# Altium PCB MCU014B_D1.PcbDoc (part 5 of 5)
Units mil, origin at the board's own origin, x right, y up, seen from the top; angles counter-clockwise.
Board outline 2300.04 x 4058 mil, 4 copper layers (TOP, GND, PWR, BOTTOM), stack 48.84 mil thick; 371 components, 238 nets, 1148 pads, 688 vias.
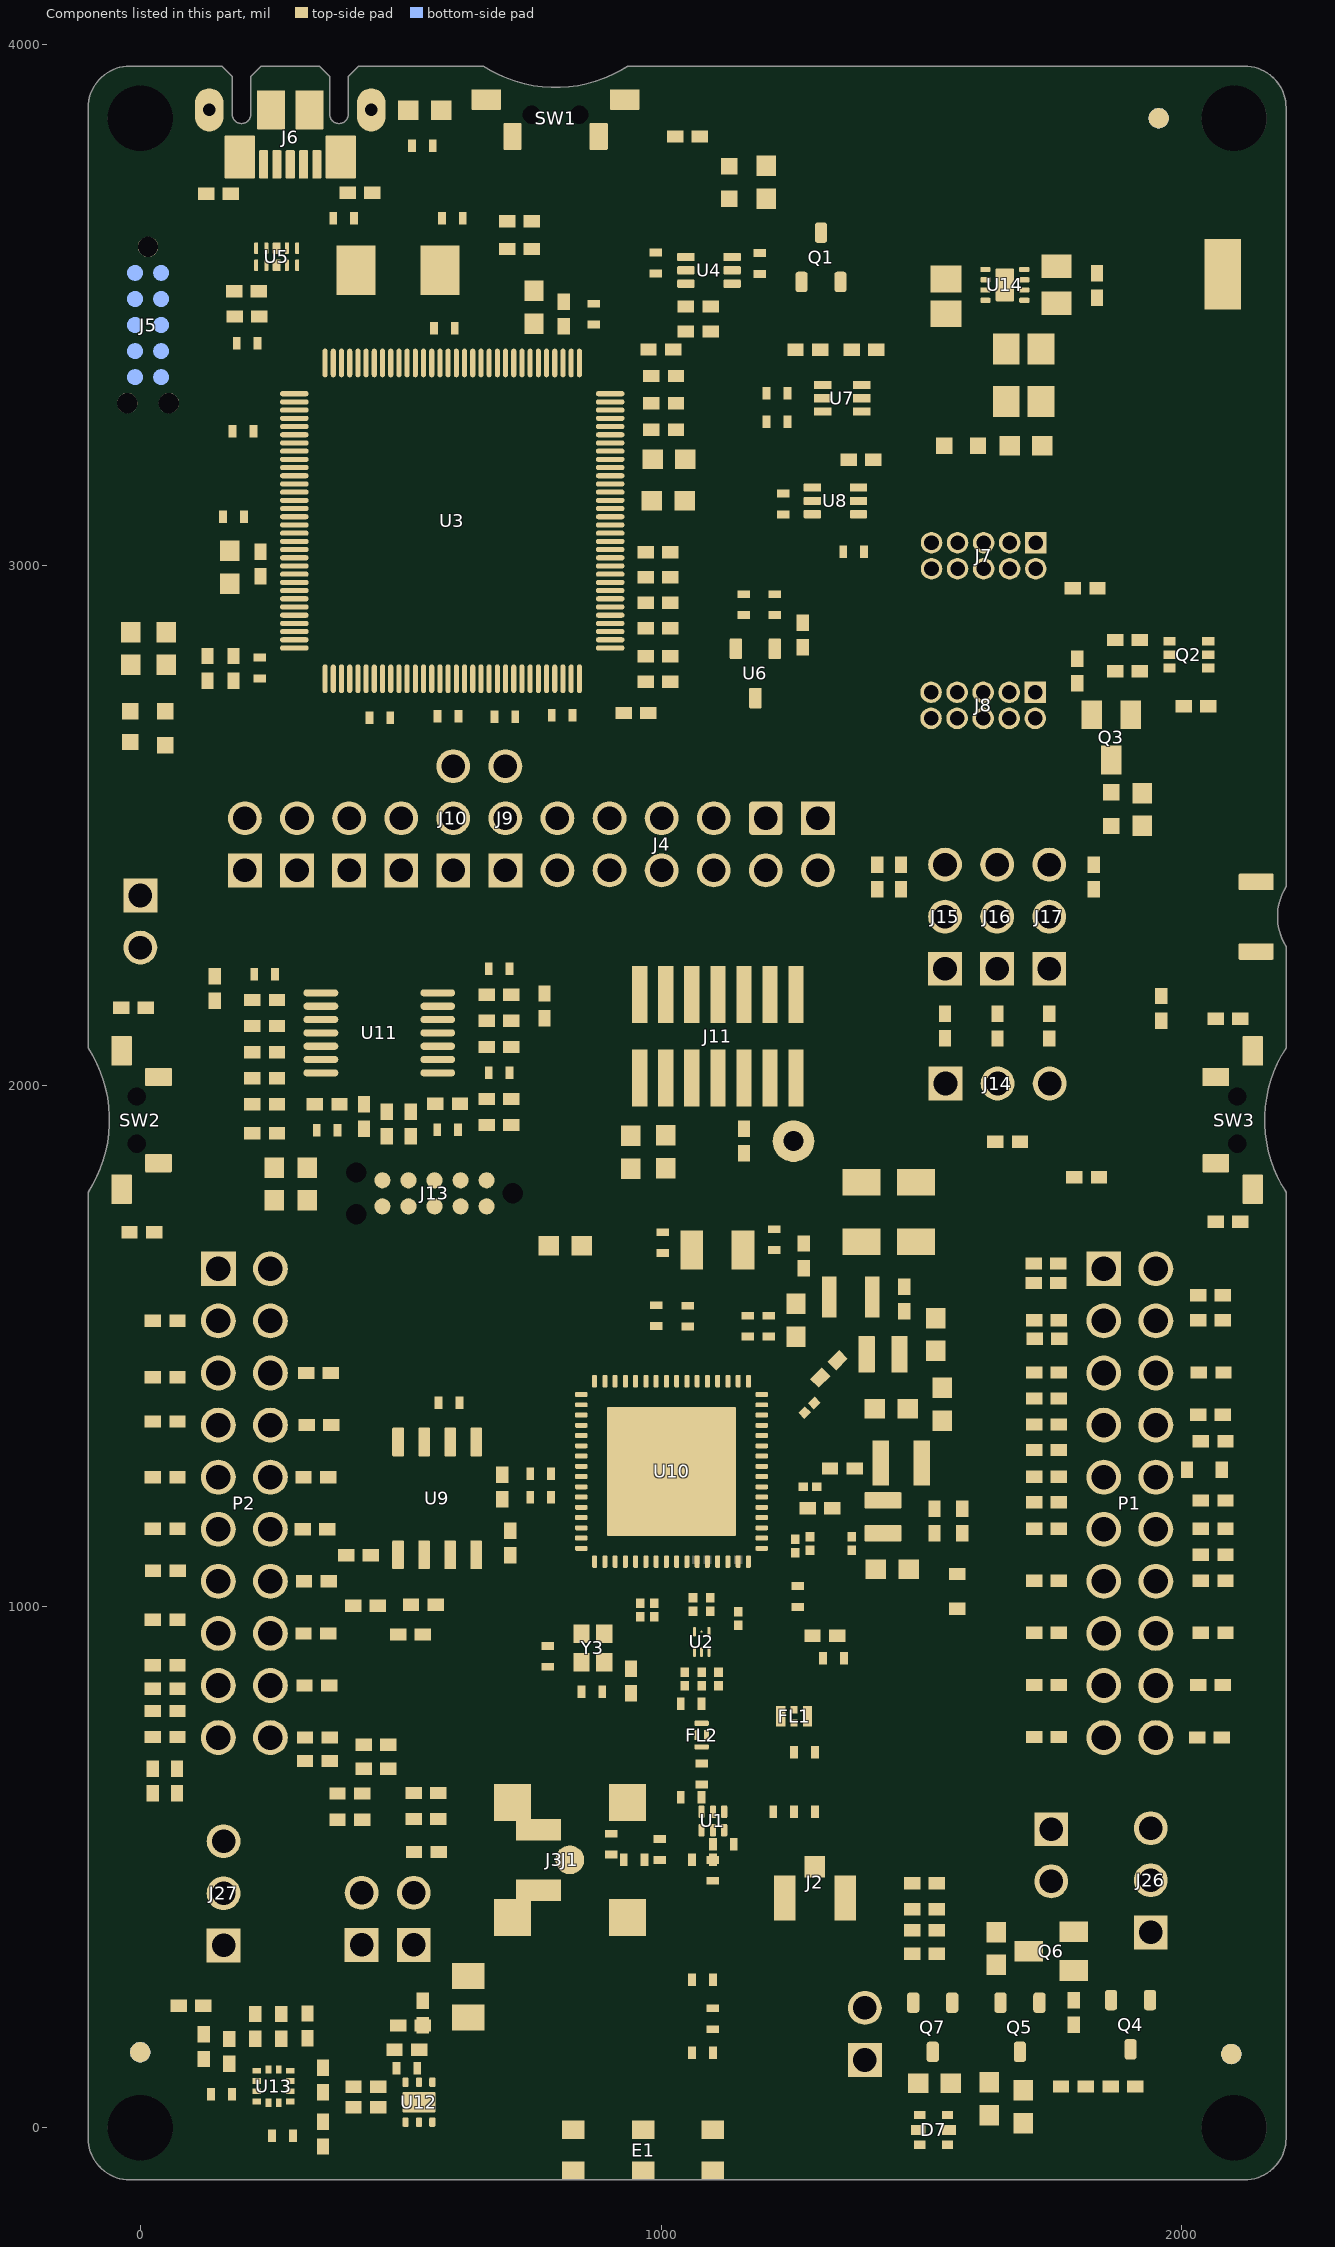
[diagram p7: the components of this part, seen from the top]

## Other copper (continued)
BOTTOM:
  pour cut-out: 729.61,-100.02 772.5,-100.02 772.5,75.2 729.61,75.2
  pour cut-out: 749.56,330.93 761.13,319.37 1068.87,319.37 1068.87,378.37 749.56,378.37
  pour cut-out: 1068.87,323.73 1077.25,332.11 1077.25,369.99 1068.87,378.37
  pour cut-out: 862.43,282.25 862.43,217.85 885.01,195.27 1183.98,195.27 1186.09,197.38 1186.09,263.32 1168.89,280.53 1080.35,280.53 1062.71,298.17 878.35,298.17
  pour cut-out: 1090.33,496.78 1120.32,466.79 1181.55,466.79 1219.5,504.74 1098.29,504.74
  pour cut-out: 1018.6,732.85 1018.6,725.94 1030.04,714.49 1211.05,714.49 1211.05,746.79 1032.54,746.79
  pour cut-out: 1329,595.38 1329,557.41 1477.45,557.41 1483.29,563.26 1483.29,594.76 1474.26,603.79 1337.41,603.79
  pour cut-out: 343.52,1718.81 343.52,1689.22 355.34,1677.4 371.61,1677.4 384.45,1690.24 384.45,1717.67 376.92,1725.19 349.9,1725.19
  pour cut-out: 1399.31,2354.95 1399.31,2325.35 1411.13,2313.53 1427.4,2313.53 1440.24,2326.37 1440.24,2353.8 1432.71,2361.33 1405.69,2361.33
  pour cut-out: 40.82,949.77 40.82,920.18 52.64,908.36 68.91,908.36 81.75,921.2 81.75,948.62 74.22,956.15 47.2,956.15
  pour cut-out: 293.71,917.28 293.71,887.68 305.53,875.86 321.81,875.86 334.64,888.7 334.64,916.13 327.12,923.66 300.09,923.66
  pour cut-out: 705.57,2688.96 705.57,2658.96 713.24,2651.28 735.89,2651.28 742.1,2657.5 742.1,2681.97 730.78,2693.3 709.91,2693.3
  pour cut-out: 601.74,2704.6 601.74,2693.15 603.14,2691.75 622.46,2691.75 624.4,2693.69 624.4,2705.18 622,2707.58 604.72,2707.58
  pour cut-out: 596,1359 596,1537 809,1750 1575,1750 1646,1679 1646,1550 1616,1520 823,1520 661,1358 594,1358
  pour cut-out: 452.71,2851.1 460.19,2851.1 460.19,2836.9 452.71,2836.9
  pour cut-out: 1087.7,3310.6 1086.15,3318.4 1081.73,3325.02 1075.11,3329.44 1067.31,3330.99 1059.51,3329.44 1052.89,3325.02 1048.47,3318.4 1046.92,3310.6 1048.47,3302.79 1052.89,3296.18 1059.51,3291.76 1067.31,3290.2 1075.11,3291.76 1081.73,3296.18 1086.15,3302.79
  pour cut-out: 152 vertices and 0 holes, not listed, extent 1872.45,1006 1927.55,1089
  pour cut-out: 2000.35,911.1 1987.07,911.1 1986.2,911.14 1985.33,911.26 1984.48,911.45 1983.65,911.71 1982.84,912.04 1982.07,912.44 1981.33,912.91 1980.64,913.44 1980,914.03 1979.41,914.68 1978.88,915.37 1978.41,916.1 1978.01,916.88 1977.67,917.68 1977.41,918.52 1977.22,919.37 1977.11,920.23 1977.07,921.1 1977.11,921.98 1977.22,922.84 1977.41,923.69 1977.67,924.52 1978.01,925.33 1978.41,926.1 1978.88,926.84 1979.18,927.25 1981.05,929.88 1982.69,932.67 1984.07,935.58 1985.2,938.61 1986.06,941.72 1986.65,944.89 1986.95,948.1 1986.98,951.33 1986.72,954.55 1986.18,957.73 1985.37,960.86 1984.29,963.9 1982.95,966.83 1981.81,968.89 1981.4,969.66 1981.06,970.46 1980.78,971.29 1980.58,972.14 1980.46,973.01 1980.41,973.88 1980.44,974.75 1980.54,975.61 1980.72,976.47 1980.97,977.3 1981.3,978.11 1981.69,978.89 1982.15,979.63 1982.67,980.33 1983.25,980.98 1983.89,981.58 1984.57,982.12 1985.3,982.6 1986.07,983.01 1986.88,983.35 1987.7,983.63 1988.55,983.83 1989.42,983.95 1990.29,984 1990.41,984 2004.56,984 2081.93,1061.37 2082.57,1061.96 2083.26,1062.49 2084,1062.96 2084.77,1063.36 2085.58,1063.7 2086.41,1063.96 2087.26,1064.15 2088.13,1064.26 2089,1064.3 2089.87,1064.26 2090.74,1064.15 2091.59,1063.96 2092.42,1063.7 2093.23,1063.36 2094,1062.96 2094.74,1062.49 2095.43,1061.96 2096.07,1061.37 2096.66,1060.73 2097.19,1060.04 2097.66,1059.3 2098.06,1058.53 2098.4,1057.72 2098.66,1056.89 2098.85,1056.04 2098.96,1055.17 2099,1054.3 2099,1009.76 2000.35,911.1
  pour cut-out: 1912.93,911.1 1887.07,911.1 1886.2,911.14 1885.33,911.26 1884.48,911.45 1883.65,911.71 1882.84,912.04 1882.07,912.44 1881.33,912.91 1880.64,913.44 1880,914.03 1879.41,914.68 1878.88,915.37 1878.41,916.1 1878.01,916.88 1877.67,917.68 1877.41,918.52 1877.22,919.37 1877.11,920.23 1877.07,921.1 1877.11,921.98 1877.22,922.84 1877.41,923.69 1877.67,924.52 1878.01,925.33 1878.41,926.1 1878.88,926.84 1879.18,927.25 1881.05,929.88 1882.69,932.67 1884.07,935.58 1885.2,938.61 1886.06,941.72 1886.65,944.89 1886.95,948.1 1886.98,951.33 1886.72,954.55 1886.18,957.73 1885.37,960.86 1884.29,963.9 1882.95,966.83 1881.81,968.89 1881.4,969.66 1881.06,970.46 1880.78,971.29 1880.58,972.14 1880.46,973.01 1880.41,973.88 1880.44,974.75 1880.54,975.61 1880.72,976.47 1880.97,977.3 1881.3,978.11 1881.69,978.89 1882.15,979.63 1882.67,980.33 1883.25,980.98 1883.89,981.58 1884.57,982.12 1885.3,982.6 1886.07,983.01 1886.88,983.35 1887.7,983.63 1888.55,983.83 1889.42,983.95 1890.29,984 1890.41,984 1909.59,984 1910.46,983.96 1911.33,983.85 1912.18,983.66 1913.01,983.4 1913.82,983.06 1914.59,982.66 1915.33,982.19 1916.02,981.66 1916.66,981.07 1917.25,980.43 1917.78,979.74 1918.25,979 1918.65,978.23 1918.99,977.42 1919.25,976.59 1919.44,975.74 1919.55,974.87 1919.59,974 1919.55,973.13 1919.44,972.26 1919.25,971.41 1918.99,970.58 1918.65,969.77 1918.25,969 1918.19,968.89 1916.66,966.05 1915.39,963.08 1914.38,960.02 1913.64,956.87 1913.18,953.68 1913,950.46 1913.1,947.23 1913.49,944.02 1914.15,940.86 1915.08,937.77 1916.28,934.78 1917.73,931.9 1919.43,929.15 1920.82,927.25 1921.32,926.54 1921.77,925.79 1922.14,925 1922.45,924.18 1922.68,923.34 1922.84,922.49 1922.92,921.62 1922.92,920.74 1922.86,919.88 1922.71,919.01 1922.49,918.17 1922.2,917.35 1921.84,916.56 1921.41,915.8 1920.91,915.08 1920.36,914.41 1919.74,913.78 1919.08,913.22 1918.37,912.71 1917.62,912.27 1916.83,911.9 1916.01,911.59 1915.17,911.36 1914.31,911.2 1913.44,911.12 1912.93,911.1
  pour cut-out: 772.5,75.2 1054,75.2 1054,55.51 1146.52,55.51 1146.52,-100 772.5,-100
  pour cut-out: 471.93,3737.96 471.93,3721.48 481.89,3711.52 493.38,3711.52 500.32,3718.45 500.32,3735.52 493.89,3741.94 475.91,3741.94
  pour cut-out: 855.47,3481.21 926.38,3410.31 927.21,3411.14 927.21,3449.21 895.21,3481.21
  pour cut-out: 752.7,732.69 1572.38,732.69 1626.28,786.59 1626.28,1102.59 1597.28,1131.59 1263.57,1131.59 1198.51,1066.52 794.35,1066.52 763.28,1097.59 763.28,1221.59 667.28,1317.59 475.28,1317.59 447.28,1289.59 447.28,1048.59 449.28,1046.59 555.28,1046.59 658.28,943.59 658.28,827.1
  pour cut-out: 312.92,3719.89 319.36,3713.45 319.36,3703.69 307.96,3703.69 298.7,3712.94
  pour cut-out: 1364.58,387.11 1364.58,372.4 1357.16,364.97 1093.98,364.97 1080.58,378.37 823.89,378.37 823.89,430.76 1320.5,431.51
  pour cut-out: 601.53,1754.19 601.53,1721.33 619.67,1703.19 633.2,1703.19 646.96,1716.95 646.96,1751.84 636.88,1761.92 609.27,1761.92
  pour cut-out: 618.75,1848.64 613.97,1843.87 625.17,1832.67 629.31,1836.8
  pour cut-out: 279.01,1933.2 279.01,1910.06 302.5,1886.58 313.73,1886.58 328.54,1901.38 328.54,1935.33 319.09,1944.78 290.6,1944.78
  pour cut-out: 1030.64,329.76 1346.3,329.77 1355.49,338.95 1355.49,359.47 1339.12,375.83 1076.71,375.83
  pour cut-out: 1336.2,702.3 1361.47,702.3 1372.62,713.45 1372.62,746.16 1336.2,746.16
  text "4" at 141.62,-60.43 h50
  text ".layer_Name" at -466,-1142 h60

## Silkscreen, mask and mechanical layers (free items; w line width, h text height)
Top Silkscreen:
  drawing of 7084 lines, arcs and shapes, not listed
  text "RESET" at 1087.18,3867.5 h30
  text "RESET" at 745.24,3720.11 h30
  text "GND" at 2038.69,3700.4 h30
  text "REV B" at 1341.44,3668.74 h30
  text "3V3" at 1526.59,3314.45 h30
  text "XDS110" at 1538.35,3161.97 h30
  text "OUT" at 1580.83,3125.63 h30
  text "CAUTION" at -77.89,3029.21 h30
  text "HOT" at -23.39,2981.11 h30
  text "SURFACE" at -81.39,2938.51 h30
  text "JTAG IN" at 1523.26,2848.71 h30
  text "VCC_BUFFER" at 1333.67,2584.19 h30 r90
  text "2" at 1535.62,2489.21 h40
  text "1" at 1640,2489.21 h40
  text "0" at 1725,2489.21 h40
  text "PD" at 1419.37,2466.31 h30
  text "FRST" at 1982.9,2457.44 h30
  text "TX" at 723.21,2296.35 h30 r90
  text "RX" at 622.21,2293.21 h30 r90
  text "5V" at 321.61,2271.91 h30 r90
  text "BRD" at 513,2266.5 h30 r90
  text "RST" at 821,2266.5 h30 r90
  text "TMS" at 927.21,2267.21 h30 r90
  text "TCK" at 1026,2266.79 h30 r90
  text "BRD" at 1322,2266.5 h30 r90
  text "TDI" at 1223.88,2266.41 h30 r90
  text "TDO" at 1120.69,2265.26 h30 r90
  text "GND" at 221.01,2251.51 h30 r90
  text "SOP" at 1464.55,2235.88 h40 r90
  text "VBAT" at 420.91,2227.21 h30 r90
  text "OPAMP EN" at 107.81,2208.21 h30 r90
  text "PU" at 1418.13,2179.33 h30
  text "(P15)" at 1820.66,2120.87 h30
  text "ET POD" at 916,1997 h30 r90
  text "SOP VCC" at 1299.54,1979.67 h30
  text "P4" at 1749.87,1714.73 h40
  text "P2" at 1972.04,1714.73 h40
  text "20" at 1913.35,1704.94 h30
  text "40" at 1827.63,1702.15 h30
  text "P1" at 79,1701 h40
  text "P3" at 277,1701 h40
  text "1" at 157,1700 h35
  text "21" at 207,1700 h35
  text "*" at 1688.11,1689.02 h30
  text "P02" at 1600.91,1664.91 h30
  text "P58" at 1599.36,1616.17 h30
  text "P18" at 2110.69,1577.16 h30
  text "*" at 1688.11,1567.97 h30
  text "*" at -17,1549 h30
  text "P01" at 1609.1,1547.44 h30
  text "P59" at 2110.19,1533.59 h30
  text "P58" at -87.26,1521.22 h30
  text "P50" at 1603.97,1496.14 h30
  text "*" at 1673.3,1436.5 h30
  text "P57" at 395,1435 h30
  text "P08" at 2106.71,1432.41 h30
  text "P04" at -87.94,1425.68 h30
  text "P17" at 1605.89,1411.79 h30
  text "*" at 1679.06,1352.14 h30
  text "P45" at 2105.31,1347.91 h30
  text "P03" at -88.6,1338.29 h30
  text "P60" at 395,1335 h30
  text "P64" at 1609.61,1329.6 h30
  text "*" at 1676.52,1245.2 h30
  text "RST" at 2113.56,1240.96 h30
  text "P58" at 386.57,1235.76 h30
  text "P61" at -84.58,1233.57 h30
  text "P21" at 1605.35,1228.92 h30
  text "*" at 1670.24,1161.86 h30
  text "*" at -13.55,1143.19 h30
  text "P59" at 385,1135 h30
  text "P18" at 1611.05,1135.04 h30
  text "P07" at 2108.11,1135.21 h30
  text "P59" at -86.29,1122.41 h30
  text "*" at 1680.67,1059.85 h30
  text "P05" at -85.24,1054.82 h30
  text "P62" at 1609.47,1035.24 h30
  text "P06" at 2110.91,1034.41 h30
  text "P63" at 390.11,1032.51 h30
  text "*" at 1665.51,966.71 h30
  text "P62" at -84.75,966.46 h30
  text "P60" at 1605.36,936.77 h30
  text "P21" at 2112.51,933.81 h30
  text "P53" at 390.64,930.95 h30
  text "P55" at 2103.91,833.71 h30
  text "P64" at 395,830 h30
  text "P01" at -67.49,828.81 h30
  text "P16" at 1605.41,827 h30
  text "P17" at 1605.41,738 h30
  text "P02" at -76.62,737.36 h30
  text "P15" at 2105.71,732.11 h30
  text "RF" at 624.83,706.53 h30
  text "11" at 1879.53,680.05 h35
  text "31" at 1785.14,676.24 h35
  text "10" at 125,666 h35
  text "30" at 215,665 h35
  text "P50" at 274.67,632.4 h30
  text "RF" at 1388.45,519.57 h30
  text "RST PU" at 1675.61,456.38 h30 r90
  text "(SCL)" at 340.79,450.17 h30 r90
  text "(SDA)" at 643.34,448.76 h30 r90
  text "LED EN" at 1311.6,150.26 h30 r90
  text "SENSORS" at 98.26,30.9 h30 r90
  text "GREEN->P02" at 1198.48,13.1 h30
  text "TEMP" at 647.32,-20.61 h30 r90
  text "RED  ->P01" at 1198.48,-34.33 h30
  text "ACC" at 127.25,-70.69 h30
  text "BLUE ->P64" at 1198.48,-81.76 h30
  text ".layer_Name" at -466,-1142 h60
Bottom Silkscreen:
  drawing of 11597 lines, arcs and shapes, not listed
  text "SimpleLink™  CC3235 Launchpad™" at 1472.95,3347.07 h90
  text "Development Kit" at 1472.95,3217.94 h90
  text "MCU014" at 467.21,3049.24 h50
  text "www.ti.com/launchpad" at 1477.14,3034.17 h90
  text "REV B" at 476.18,3007.12 h50
  text "SOP (2:0)" at 453.18,2912.19 h60
  text "XDS110 OUT" at 1747.23,2893.94 h45
  text "100  :  FLASH" at 453.19,2843.99 h60
  text "000  :  4W JTAG" at 457.59,2781.85 h60
  text "001  :  2W SWD" at 457.04,2721.9 h60
  text "010  :  FLASH/FUNC" at 457.04,2656.46 h60
  text "JTAG IN" at 1700.13,2624.28 h45
  text "VCC_BUFFER" at 1292.85,2580.18 h45 r270
  text "TX" at 691.51,2294.41 h30 r270
  text "RX" at 596.81,2286.61 h30 r270
  text "TMS" at 892,2277 h30 r270
  text "TDO" at 1088.18,2266.21 h30 r270
  text "TDI" at 1190.82,2266.08 h30 r270
  text "BRD" at 1286.21,2266.21 h30 r270
  text "BRD" at 484.21,2264.61 h30 r270
  text "5V" at 290.21,2264.21 h30 r270
  text "TCK" at 989,2262 h30 r270
  text "RST" at 792,2261 h30 r270
  text "GND" at 190.71,2254.21 h30 r270
  text "SOP" at 1425.42,2235.27 h40 r270
  text "VBAT" at 389.81,2226.61 h30 r270
  text "OPAMP EN" at 80.51,2208.91 h30 r270
  text "20" at 1954.13,1728.3 h30
  text "P1" at 110.3,1726.54 h40
  text "1" at 166.21,1727.21 h35
  text "21" at 265.21,1727.21 h35
  text "P3" at 367.66,1724.59 h40
  text "40" at 1884.34,1724.59 h30
  text "P2" at 2074.71,1719.35 h40
  text "P4" at 1787.13,1715.35 h40
  text "P02" at 1777,1632 h35
  text "P18" at 2102,1537 h35
  text "P01" at 1777,1532 h35
  text "P58" at 85.31,1529.61 h31
  text "P08" at 2105,1435 h35
  text "P57" at 403.01,1431.61 h35
  text "P17" at 1777,1432 h35
  text "P04" at 79.21,1427 h35
  text "P60" at 399.21,1340.91 h35
  text "P45" at 2106,1334 h35
  text "P64" at 1777,1331 h35
  text "P03" at 79.21,1327 h35
  text "P58" at 400.71,1243.31 h35
  text "P21" at 1777,1234 h35
  text "RST" at 2099,1234 h35
  text "P61" at 79.21,1227 h35
  text "P07" at 2102.91,1136.61 h35
  text "P59" at 399.21,1132.71 h35
  text "P18" at 1777,1133 h35
  text "P59" at 90.3,1126.83 h33
  text "P62" at 1777,1037 h35
  text "P06" at 2096,1036 h35
  text "P05" at 79.21,1027 h35
  text "P63" at 398.41,1025.21 h35
  text "P21" at 2100,934 h35
  text "P60" at 1777,933 h35
  text "P62" at 79.21,927 h35
  text "P53" at 404.31,919.01 h35
  text "P64" at 404.11,835.01 h35
  text "P55" at 2100,834 h35
  text "P16" at 1777,830 h35
  text "P01" at 79.21,827 h35
  text "P50" at 398.91,735.01 h35
  text "P15" at 2100,734 h35
  text "P17" at 1776.21,733.21 h35
  text "P02" at 79.21,727 h35
  text "30" at 271.6,635 h35
  text "11" at 1962.41,635.01 h35
  text "31" at 1868.51,634.21 h35
  text "10" at 165.6,633 h35
  text "RST PU" at 1645.62,456.38 h30 r270
  text "SDA" at 564.49,251.53 h30
  text "SCL" at 457.69,249.15 h30
  text "LED EN" at 1286.23,103.43 h30 r270
  text ".layer_Name" at -466,-1142 h60
Top Paste:
  text ".layer_Name" at -468,-1140 h60
Bottom Paste:
  text ".layer_Name" at -468,-1140 h60
Top Solder:
  text ".layer_Name" at -468,-1140 h60
Bottom Solder:
  text ".layer_Name" at -468,-1140 h60
Drill Guide:
  text ".layer_Name" at -466,-1142 h60
M1  Board Outline:
  the board outline again, w10
  text ".layer_Name" at -466,-1142 h60
M2 Board Dimensions:
  rectangle: -868.53,-701.56 -493.53,-576.56
  rectangle: -993.53,-576.56 -868.53,-451.56
  lines w7: -993.53,-576.56 6.47,-576.56 ; -868.53,-701.56 -868.53,-451.56 ; -743.53,-701.56 -743.53,-451.56 ; -493.53,-701.56 -493.53,-451.56 ; -243.53,-701.56 -243.53,-451.56 ; -993.53,-701.56 6.47,-701.56 6.47,-451.56 -993.53,-451.56 -993.53,-701.56
  text "2 PLACES" at 434.6,4117.7 h30
  text "4 PLACES" at 2352.65,3764.25 h30
  text "3 PLACES" at -656,1984.21 h60
  text ".layer_Name" at -466,-1142 h60
M3 3D STEP Top:
  pour cut-out: 1580,1720 1580,960 1155,960 1155,990 1120,1025 1035,1025 1000,990 1000,910 935,910 935,805 925,795 655,795 655,1720 1580,1720
AST:
  circle w10: c1268.67,3521.79 r8.25
  circle w10: c949.12,3865.14 r4
  circle w10: c2112.01,1778.81 r4
  circle w10: c-11.09,2085.81 r4
  circle w6: c78,346 r10
  circle w6: c1073.53,1668 r4.47
  circle w6: c178.9,2345.23 r7.21
  circle w6: c278.9,2345.23 r7.21
  circle w6: c378.9,2345.23 r7.21
  circle w6: c478.9,2345.23 r7.21
  circle w6: c578.9,2345.23 r7.21
  circle w6: c678.9,2345.23 r7.21
  circle w6: c1230.46,2584.78 r7.21
  circle w6: c1265.98,2583.27 r7.21
  circle w6: c1718.28,2755.78 r7.21
  circle w6: c1818.21,589.21 r7.21
  circle w10: c1218.4,2797.6 r8.06
  circle w6: c1073.53,1668 r4.47
  circle w6: c78,346 r10
  circle w10: c359.25,3563.2 r8.25
  circle w6: c1705.27,2156.93 r7.21
  circle w6: c1605.27,2156.93 r7.21
  circle w6: c1505.27,2156.93 r7.21
  circle w6: c1258.25,2134.13 r10
  circle w6: c1476.73,1969.77 r7.21
  circle w6: c1599.96,1908.01 r7.21
  circle w6: c1915.46,2716.43 r10
  circle w6: c1719.19,3043.01 r10
  circle w10: c1124.97,156.27 r3.29
  rectangle: 1816.76,1615.95 1883.12,1682.11
  rectangle: 116.75,1615.95 183.12,1682.11
  lines w10: -1274.5,-1223.17 5325.5,-1223.17 ; -1274.5,-1019.83 5327.5,-1019.83 ; -1274.5,-816.5 -1274.5,-1426.5 2730.5,-1426.5 5327.5,-1426.5 5327.5,-816.5 -1274,-816.5 -1274,-1426.5 301.5,-1426.5 ; 525.58,-1017.28 525.58,-816.88 ; 1116.99,-101.97 1116.99,16.14 ; 1190.5,-1426.5 1190.5,-1020.28 ; 2457.5,-1019.83 2457.5,-816.5 ; 3297.5,-1019.83 3297.5,-816.5 ; 3919.5,-1433 3919.5,-1230.17
  text "R63" at 1786.55,1813.5 h25
  text "PCB VIEWED FROM TOP SIDE" at -1211,-948.67 h60
  text "BOARD #:" at 565.5,-948.67 h60
  text ".PRJ_Title" at 1111,-948.67 h60
  text "REV:" at 2655.5,-948.67 h60
  text ".PCB_Rev" at 2947,-948.67 h60
  text "SVN REV:" at 3493.5,-948.67 h60
  text ".VersionControl_RevNumber" at 3999.5,-948.67 h60
  text "COMPONENTS MARKED 'DNP' SHOULD NOT BE POPULATED." at 1222.98,-1099.51 h35
  text "TOP ASSEMBLY DRAWING" at -1211,-1151.49 h60
  text "ASSEMBLY VARIANT:" at 1233.73,-1181.89 h35
  text ".VariantName" at 1828.34,-1185.48 h35
  text "GENERATED    :" at 1267.5,-1357.34 h60
  text ".Print_Date" at 2137,-1357.34 h60
  text ".Print_Time" at 2866,-1357.34 h60
  text "TEXAS INSTRUMENTS" at 4130.5,-1357.34 h60
ASB:
  lines w10: -1275,-1020.33 5327,-1020.33 ; -1273,-1223.67 5327,-1223.67 ; 133,-1433.5 133,-1230.67 ; 755,-1020.33 755,-817 ; 1595,-1020.33 1595,-817 ; 2862,-1427 2862,-1020.26 ; 3633.38,-1019.37 3633.38,-815.76 ; 3751,-1427 5326.5,-1427 5326.5,-817 -1275,-817 -1275,-1427 1322,-1427 5327,-1427 5327,-817
  text ".VersionControl_RevNumber" at 53,-949.17 h60
  text "SVN REV:" at 559,-949.17 h60
  text ".PCB_Rev" at 1105.5,-949.17 h60
  text "REV:" at 1397,-949.17 h60
  text "PCB VIEWED FROM BOTTOM SIDE" at 5263.5,-949.17 h60
  text ".PRJ_title" at 3062.64,-951.18 h60
  text "BOARD #:" at 3553.68,-951.18 h60
  text "COMPONENTS MARKED 'DNP' SHOULD NOT BE POPULATED." at 2838.45,-1092.34 h35
  text "BOTTOM ASSEMBLY DRAWING" at 5263.5,-1153.5 h60
  text ".VariantName" at 2175.78,-1174.74 h35
  text "ASSEMBLY VARIANT:" at 2831.29,-1181.89 h35
  text "TEXAS INSTRUMENTS" at -78,-1357.84 h60
  text ".Print_Time" at 1186.5,-1357.84 h60
  text ".Print_Date" at 1915.5,-1357.84 h60
  text "GENERATED    :" at 2785,-1357.84 h60
Route Tool Path:
  drawing of 57 lines, arcs and shapes, not listed
  text "1" at -253.7,7734.94 h70
  text "2" at 2241.97,7734.94 h70
  text "3" at 4731.31,7734.94 h70
  text "4" at 7237.98,7734.94 h70
  text "5" at 9736.97,7734.94 h70
  text "6" at 12241.97,7734.94 h70
  text "A" at -1410.03,6591.94 h70
  text "A" at 13389.97,6591.94 h70
  text "B" at -1410.03,4211.94 h70
  text "B" at 13389.97,4211.94 h70
  text "C" at -1410.03,1836.94 h70
  text "C" at 13389.97,1836.94 h70
  text "PROJECT TITLE:" at 10349.97,-24.06 h45
  text ".PRJ_Title" at 10399.97,-157.38 h70
  text "DESIGNED FOR:" at 10349.97,-325.06 h45
  text ".PRJ_Customer" at 10399.97,-465.06 h70
  text "D" at -1410.03,-533.06 h70
  text "D" at 13389.97,-533.06 h70
  text "FILE NAME:" at 10349.97,-625.06 h45
  text ".PCB_File_Name_No_Path" at 10399.97,-745.06 h70
  text "Texas Instruments (TI) and/or its licensors do not warrant the accuracy or completeness of this specification" at 5380.47,-906.9 h45
  text "ENGINEER:" at 10349.97,-915.06 h45
  text "LAYOUT BY:" at 11854.97,-915.06 h45
  text "or any information contained therein. TI and/or its licensors do not warrant that this design will meet" at 5335.48,-1019.56 h45
  text ".PRJ_Engineer" at 10399.97,-1070.05 h70
  text ".PCB_Layout" at 11905.47,-1070.05 h70
  text "the specifications, will be suitable for your application or fit for any particular purpose, or will operate in" at 5335.48,-1132.23 h45
  text ".layer_Name" at -466,-1142 h60
  text "ALTIUM DESIGNER VERSION:" at 11854.97,-1225.06 h45
  text "an implementation. TI and/or its licensors do not warrant that the design is production worthy. You should" at 5335.48,-1244.89 h45
  text "completely validate and test your design implementation to confirm the system functionality for your application." at 5380.47,-1357.56 h45
  text ".print_Scale" at 10399.97,-1358.38 h70
  text ".Application_BuildNumber" at 11905.47,-1358.38 h70
  text "1" at -253.7,-1565.06 h70
  text "2" at 2241.97,-1565.06 h70
  text "3" at 4731.31,-1565.06 h70
  text "4" at 7237.98,-1565.06 h70
  text "5" at 9736.97,-1565.06 h70
  text "6" at 11302.71,-1565.06 h70
  text "WO# : 307170-7168-1DU" at 11753.54,-1565.06 h70
M10 Fab Notes:
  drawing of 213 lines, arcs and shapes, not listed
  text "FAB NOTES :" at -1133.5,7542.43 h65
  text "1. EXPOSED COPPER ARE PRESENT AT BOARD EDGE IN ALL ELECTRICAL LAYERS AT THE LOCATION \"DETAIL A\". copper in that area must be as close to the edge as current processing allows" at -1129.88,7372.9 h65
  text "2. THE SOLDER MASK IMAGES THAT ARE THE SAME SIZE AS THE COMPONENT PADS MAY BE ENLARGED AS PER THE MANUFACTURING CAPABILITIES." at -1129.88,7214.17 h65
  text "ALL OTHER SOLDER MASK IMAGES SHALL NOT BE MODIFIED." at -936.12,7098.21 h65
  text "DESIGN INFORMATION" at 11387.49,6143.44 h60
  text "MIN. TRACK WIDTH:" at 10742.93,5963.44 h60
  text "MIL" at 11993.93,5963.44 h60
  text "6" at 11835,5962 h60
  text "4" at 11833.1,5833.96 h60
  text "MIN. CLEARANCE:" at 10742.93,5831.44 h60
  text "MIL" at 11993.93,5831.44 h60
  text "MIN. VIA PAD SIZE:" at 10742.93,5699.44 h60
  text "18" at 11809.18,5699.45 h60
  text "MIL" at 11993.93,5699.44 h60
  text "EXTERNAL" at 12288.21,5559.21 h60
  text "2 MIL" at 11437.93,5557.73 h60
  text "MINIMUM ANNULAR RING" at 10413.7,5553.45 h60
  text "PER" at 10613.7,5435.45 h60
  text "IPC-D-275 CLASS 2 LEVEL C" at 10833.7,5435.44 h60
  text "MIL, HOLES" at 12321.93,5323.16 h60
  text "+/-" at 11929.47,5322.44 h60
  text "+/-" at 12783.47,5322.44 h60
  text "REGISTRATION TOLERANCES:" at 10413.7,5317.44 h60
  text "METAL" at 11613.47,5317.44 h60
  text "5" at 12189.67,5317.45 h60
  text "3" at 13022.67,5317.45 h60
  text "MIL" at 13138.93,5317.44 h60
  text "MATERIAL:" at 10338.93,5107.98 h60
  text "FR-4 High Tg" at 11325.37,4967.65 h60
  text "FR-408" at 10759.93,4959.08 h60
  text "X" at 11171.93,4959.08 h60
  text "OTHER" at 12247.93,4959.08 h60
  text "1.28mm+/-10%" at 12644.58,4799.21 h60
  text "62 MIL (1.6mm) +/-10%" at 11080.03,4796.37 h60
  text "THICKNESS:" at 10413.7,4792.08 h60
  text "X" at 12246.86,4792.08 h60
  text "OTHER" at 12344.93,4792.08 h60
  text "TOLERANCE:" at 10413.7,4634.08 h60
  text "X" at 11253,4634.08 h60
  text "ANSI IPC-6012 TYPE 3 CLASS 2" at 11439.94,4634.08 h60
  text "OTHER +/-" at 11439.93,4478.08 h60
  text "BOW & TWIST:" at 10413.7,4321.08 h60
  text "X" at 11253,4321.08 h60
  text "ANSI IPC-6012 TYPE 3 CLASS 2" at 11439.94,4321.08 h60
  text "OTHER +/-" at 11439.93,4162.57 h60
  text "COPPER THICKNESS (FINISHED):" at 10392.46,3906.14 h60
  text "1.4MIL (1oz)" at 12644.46,3758.42 h60
  text "INNER SIGNAL:" at 11832.38,3754.14 h60
  text "X" at 12517.42,3754.14 h60
  text "1.4MIL (1oz)" at 11272.46,3753.42 h60
  text "OUTER:" at 10749.46,3749.14 h60
  text "X" at 11144,3748.5 h60
  text "DRILLING:" at 10338.93,3489.08 h60
  text "REFERENCE:" at 10413.7,3372.08 h60
  text "X" at 11061.93,3372.08 h60
  text "AS SHOWN" at 11248.93,3372.08 h60
  text "X" at 11962.93,3372.08 h60
  text "NC_DRILL FILES" at 12099.93,3372.08 h60
  text "PTH MIN COPPER THICKNESS:" at 10413.7,3214.08 h60
  text "X" at 11763.93,3214.08 h60
  text "1MIL" at 11900.93,3214.08 h60
  text "OTHER" at 12397.93,3214.08 h60
  text "BOARD FINISH:" at 10338.93,3055.08 h60
  text "SILKSCREEN:" at 10494.15,2937.08 h60
  text "X" at 11442.93,2937.08 h60
  text "TOP" at 11568.93,2937.08 h60
  text "X" at 11952.93,2937.08 h60
  text "BOTTOM" at 12079.93,2937.08 h60
  text "SILKSCREEN COLOR:" at 10494.15,2770.08 h60
  text "X" at 11441.89,2770.08 h60
  text "WHITE" at 11568.93,2770.08 h60
  text "OTHER" at 12079.93,2770.08 h60
  text "SOLDER RESIST COLOR:" at 10494.15,2600.08 h60
  text "X" at 12166.89,2445.88 h60
  text "GREEN" at 11188.93,2440.88 h60
  text "BLUE" at 11779.93,2440.88 h60
  text "OTHER" at 12317.93,2440.88 h60
  text "RED" at 12707.93,2435.88 h60
  text "IMMERSION GOLD (ENIG)" at 11399.93,2252.37 h60
  text "ENEPIG" at 12737.47,2249.08 h60
  text "SURFACE FINISH:" at 10338.93,2248.08 h60
  text "X" at 11212.98,2248.08 h60
  text "IMM. TIN/SILVER OR EQUIV" at 10668.47,2091.08 h60
  text "OTHER" at 12099.93,2091.08 h60
  text "ARRAY/PANEL:" at 10338.93,1912.08 h60
  text "CUT AND TRIM PER MECH LAYER 1" at 11399.93,1907.8 h60
  text "N.C. ROUTE" at 11399.93,1756.08 h60
  text "V. SCORE" at 12265.93,1756.08 h60
  text "X" at 11209.99,1755.17 h60
  text "CERTIFICATION:" at 10338.93,1619.08 h60
  text "MATERIALS AND WORKMANSHIP FOR ALL PCBS" at 11063.93,1619.08 h60
  text "TO MEET OR EXCEED THE REQUIREMENTS OF:" at 11063.93,1521.08 h60
  text "X" at 10690.43,1384.58 h60
  text "ANSI IPC-A-600F CLASS ->" at 10829.43,1384.58 h60
  text "X" at 12468.49,1384.58 h60
  text "2" at 12587.43,1384.58 h60
  text "1" at 12272.43,1383.08 h60
  text "3" at 12941.43,1383.08 h60
  text "X" at 10692.49,1225.08 h60
  text "UL 94V-0" at 10829.43,1225.08 h60
  text "X" at 11504.49,1225.08 h60
  text "RoHS" at 11641.43,1225.08 h60
  text "OTHER" at 12285.83,1225.08 h60
  text "PER ORDER" at 12682.89,1225.08 h60
  text "ADDITIONAL REQUIREMENTS:" at 10338.93,1084.08 h60
  text "X" at 12320.49,985.08 h60
  text "YES" at 12456.43,983.08 h60
  text "NO" at 12910.43,983.08 h60
  text "VIA TENTING:" at 11561,978 h60
  text "MICROSECTION:" at 10413.7,969.08 h60
  text "YES" at 11319.43,969.08 h60
  text "REQUIRED" at 12180.93,812.94 h60
  text "BARE BOARD ELEC. TEST:" at 10413.7,810.08 h60
  text "NONE" at 11719.43,810.08 h60
  text "X" at 12053.93,810.08 h60
  text "PER ORDER" at 12772.93,810.08 h60
  text "MANUFACTURER'S UL:" at 10413.7,653.08 h60
  text "RAIL" at 11579.43,648.8 h60
  text "METAL" at 12071.24,648.8 h60
  text "SILK" at 12582.93,648.8 h60
  text "X" at 12446.47,648.44 h60
  text ".layer_Name" at -466,-1142 h60
M11 Gerber Information:
  lines w10: -1285.53,-1231.72 5314.47,-1231.72 ; -1285.53,-1028.39 5316.47,-1028.39 ; -1285.53,-825.06 -1285.53,-1435.06 2719.47,-1435.06 5316.47,-1435.06 5316.47,-825.06 -1285.03,-825.06 -1285.03,-1435.06 290.47,-1435.06 ; 704.27,-1028.98 704.27,-826.22 ; 1179.47,-1435.06 1179.47,-1027.64 ; 2647.88,-1028.62 2647.88,-825.28 ; 3286.47,-1028.39 3286.47,-825.06 ; 3908.47,-1441.56 3908.47,-1238.72
  text ".PCB_Rev" at 2968.73,-956.1 h60
  text "ALL ARTWORK VIEWED FROM TOP SIDE" at -1222.03,-957.22 h60
  text "BOARD #:" at 747.56,-957.22 h60
  text ".PRJ_title" at 1293.06,-957.22 h60
  text "REV:" at 2702.69,-956.74 h60
  text "SVN REV:" at 3482.47,-957.22 h60
  text ".VersionControl_RevNumber" at 3988.47,-957.22 h60
  text "LAYER NAME =" at -1222.03,-1140 h60
  text "GENERATED    :" at 1256.47,-1365.89 h60
  text ".Print_Date" at 2125.97,-1365.89 h60
  text ".Print_Time" at 2854.97,-1365.89 h60
  text "TEXAS INSTRUMENTS" at 4119.47,-1365.89 h60
M12 Stackup:
  drawing of 306 lines, arcs and shapes, not listed
  text "LAYER STACKUP" at 4664.28,3466.47 h125
  text "Layer" at 3408.27,3247.73 h60
  text "Name" at 3818.18,3247.73 h60
  text "Material" at 4917.87,3247.73 h60
  text "Thickness" at 5777.64,3247.73 h60
  text "Constant" at 6427.48,3247.73 h60
  text "Board Layer Stack" at 6997.34,3247.73 h60
  text "1" at 3408.27,3127.73 h60
  text "Top Silkscreen" at 3818.18,3127.73 h60
  text "2" at 3408.27,3007.73 h60
  text "Top Solder" at 3818.18,3007.73 h60
  text "Solder Resist" at 4917.87,3007.73 h60
  text "0.80mil" at 5777.64,3007.73 h60
  text "4.1" at 6427.48,3007.73 h60
  text "3" at 3408.27,2887.73 h60
  text "TOP" at 3818.18,2887.73 h60
  text "Copper" at 4917.87,2887.73 h60
  text "1.69mil" at 5777.64,2887.73 h60
  text "4" at 3408.27,2767.73 h60
  text "Dielectric1" at 3818.18,2767.73 h60
  text "FR-4 High Tg" at 4917.87,2767.73 h60
  text "9.30mil" at 5777.64,2767.73 h60
  text "3.9" at 6427.48,2767.73 h60
  text "5" at 3408.27,2647.73 h60
  text "GND" at 3818.18,2647.73 h60
  text "Copper" at 4917.87,2647.73 h60
  text "1.42mil" at 5777.64,2647.73 h60
  text "6" at 3408.27,2527.73 h60
  text "Dielectric2" at 3818.18,2527.73 h60
  text "FR-4 High Tg" at 4917.87,2527.73 h60
  text "24.02mil" at 5777.64,2527.73 h60
  text "4.24" at 6427.48,2527.73 h60
  text "7" at 3408.27,2407.73 h60
  text "PWR" at 3818.18,2407.73 h60
  text "Copper" at 4917.87,2407.73 h60
  text "1.42mil" at 5777.64,2407.73 h60
  text "8" at 3408.27,2287.73 h60
  text "Dielectric3" at 3818.18,2287.73 h60
  text "FR-4 High Tg" at 4917.87,2287.73 h60
  text "9.30mil" at 5777.64,2287.73 h60
  text "3.9" at 6427.48,2287.73 h60
  text "9" at 3408.27,2167.73 h60
  text "BOTTOM" at 3818.18,2167.73 h60
  text "Copper" at 4917.87,2167.73 h60
  text "1.69mil" at 5777.64,2167.73 h60
  text "10" at 3408.27,2047.73 h60
  text "Bottom Solder" at 3818.18,2047.73 h60
  text "Solder Resist" at 4917.87,2047.73 h60
  text "0.80mil" at 5777.64,2047.73 h60
  text "4.1" at 6427.48,2047.73 h60
  text "11" at 3408.27,1927.73 h60
  text "Bottom Silkscreen" at 3818.18,1927.73 h60
  text "THIS IS AN IMPEDANCE CONTROLLED BOARD" at 3766.39,1661.2 h125
  text "NOTE : EXTERNAL LAYER CU THICKNESS ARE FINISHED THICKNESS AFTER PLATING." at 3528.79,1439.45 h75
  text "IMPEDANCE TABLE" at 4765.91,953.13 h125
  text "LAYER NO" at 3566.52,625.77 h70
  text "CONDUCTOR WIDTH" at 4212.04,625.77 h70
  text "SPACING" at 5289.85,625.77 h70
  text "IMPEDANCE +/-10%" at 5877.1,625.77 h70
  text "REFERENCE GND" at 7058.15,625.77 h70
  text "15 MIL" at 4499.4,356.91 h70
  text "1" at 3676.06,354.44 h70
  text "(TOP)" at 3776.06,354.44 h70
  text "GND" at 7307.37,354.44 h70
  text "50ohm" at 6124.61,351.18 h70
  text "10 MIL" at 5341.3,347.53 h70
  text ".layer_Name" at -466,-1142 h60
M13 Component Bodies Top:
  lines w3: 2138,3958 2200,3958
Drill Drawing:
  circle w10: c1913.18,6414.42 r33.33
  lines w10: 1882.23,6659.96 2718.67,6659.96 ; 1674.38,5743.78 1674.38,5852.67 1783.28,5852.67 1783.28,5743.78 1674.38,5743.78 ; 1879.84,4581.08 1946.51,4581.08 1946.51,4647.75 1879.84,4647.75 1879.84,4581.08
  lines w15: 1820.05,4386.08 9927.81,4386.08 ; 1820.05,6486.08 9927.81,6486.08 ; 2370.93,4236.08 2370.93,6636.08 ; 3068.74,4236.08 3068.74,6636.08 ; 4414.35,4236.08 4414.35,6636.08 ; 4920.22,4236.08 4920.22,6636.08 ; 5654.02,4236.08 5654.02,6636.08 ; 6723.71,4236.08 6723.71,6636.08 ; 8081.31,4236.08 8081.31,6636.08 ; 9163,4236.08 9163,6636.08 ; 1820.05,4236.08 9927.81,4236.08 9927.81,6636.08 1820.05,6636.08 1820.05,4236.08
  text "DRILL CHART :" at 1876.25,6685.24 h70
  text "Symbol" at 1910.05,6531.08 h72
  text "Hit Count" at 2415.93,6531.08 h72
  text "Finished Hole Size" at 3113.74,6531.08 h72
  text "Plated" at 4459.35,6531.08 h72
  text "Hole Type" at 4965.22,6531.08 h72
  text "Hole Length" at 5699.02,6531.08 h72
  text "Routed Path Length" at 6768.71,6531.08 h72
  text "Hole Tolerance" at 8126.31,6531.08 h72
  text "Tenting" at 9208,6531.08 h72
  text "32" at 2415.93,6381.08 h60
  text "7.87mil (0.200mm)" at 3113.74,6381.08 h60
  text "PTH" at 4459.35,6381.08 h60
  text "Round" at 4965.22,6381.08 h60
  text "-" at 5699.02,6381.08 h60
  text "-" at 6768.71,6381.08 h60
  text "4" at 2415.93,6231.08 h60
  text "7.87mil (0.200mm)" at 3113.74,6231.08 h60
  text "PTH" at 4459.35,6231.08 h60
  text "Round" at 4965.22,6231.08 h60
  text "-" at 5699.02,6231.08 h60
  text "-" at 6768.71,6231.08 h60
  text "+0.00mil/-7.87mil" at 8126.31,6231.08 h60
  text "Bottom Side" at 9208,6231.08 h60
  text "A" at 1880.96,6221.09 h66.67
  text "246" at 2415.93,6081.08 h60
  text "8.00mil (0.203mm)" at 3113.74,6081.08 h60
  text "PTH" at 4459.35,6081.08 h60
  text "Round" at 4965.22,6081.08 h60
  text "-" at 5699.02,6081.08 h60
  text "-" at 6768.71,6081.08 h60
  text "+0.00mil/-4.00mil" at 8126.31,6081.08 h60
  text "Both Sides" at 9208,6081.08 h60
  text "B" at 1880.96,6071.09 h66.67
  text "159" at 2415.93,5931.08 h60
  text "10.00mil (0.254mm)" at 3113.74,5931.08 h60
  text "PTH" at 4459.35,5931.08 h60
  text "Round" at 4965.22,5931.08 h60
  text "-" at 5699.02,5931.08 h60
  text "-" at 6768.71,5931.08 h60
  text "+0.00mil/-4.00mil" at 8126.31,5931.08 h60
  text "Both Sides" at 9208,5931.08 h60
  text "C" at 1880.96,5921.09 h66.67
  text "230" at 2415.93,5781.08 h60
  text "12.00mil (0.305mm)" at 3113.74,5781.08 h60
  text "PTH" at 4459.35,5781.08 h60
  text "Round" at 4965.22,5781.08 h60
  text "-" at 5699.02,5781.08 h60
  text "-" at 6768.71,5781.08 h60
  text "+0.00mil/-4.00mil" at 8126.31,5781.08 h60
  text "Both Sides" at 9208,5781.08 h60
  text "D" at 1880.96,5771.09 h66.67
  text "3" at 1706.11,5768.23 h60
  text "17" at 2415.93,5631.08 h60
  text "16.00mil (0.406mm)" at 3113.74,5631.08 h60
  text "PTH" at 4459.35,5631.08 h60
  text "Round" at 4965.22,5631.08 h60
  text "-" at 5699.02,5631.08 h60
  text "-" at 6768.71,5631.08 h60
  text "+0.00mil/-4.00mil" at 8126.31,5631.08 h60
  text "Both Sides" at 9208,5631.08 h60
  text "F" at 1880.96,5621.09 h66.67
  text "2" at 2415.93,5481.08 h60
  text "23.62mil (0.600mm)" at 3113.74,5481.08 h60
  text "PTH" at 4459.35,5481.08 h60
  text "Slot" at 4965.22,5481.08 h60
  text "51.18mil (1.300mm)" at 5699.02,5481.08 h60
  text "27.56mil (0.700mm)" at 6768.71,5481.08 h60
  text "+/-3.00mil" at 8126.31,5481.08 h60
  text "G" at 1880.96,5471.09 h66.67
  text "20" at 2415.93,5331.08 h60
  text "27.95mil (0.710mm)" at 3113.74,5331.08 h60
  text "PTH" at 4459.35,5331.08 h60
  text "Round" at 4965.22,5331.08 h60
  text "-" at 5699.02,5331.08 h60
  text "-" at 6768.71,5331.08 h60
  text "+/-3.00mil" at 8126.31,5331.08 h60
  text "H" at 1880.96,5321.09 h66.67
  text "6" at 2415.93,5181.08 h60
  text "35.43mil (0.900mm)" at 3113.74,5181.08 h60
  text "NPTH" at 4459.35,5181.08 h60
  text "Round" at 4965.22,5181.08 h60
  text "-" at 5699.02,5181.08 h60
  text "-" at 6768.71,5181.08 h60
  text "+/-2.00mil" at 8126.31,5181.08 h60
  text "I" at 1892.07,5171.09 h66.67
  text "1" at 2415.93,5031.08 h60
  text "37.99mil (0.965mm)" at 3113.74,5031.08 h60
  text "PTH" at 4459.35,5031.08 h60
  text "Round" at 4965.22,5031.08 h60
  text "-" at 5699.02,5031.08 h60
  text "-" at 6768.71,5031.08 h60
  text "+/-3.00mil" at 8126.31,5031.08 h60
  text "J" at 1880.96,5021.09 h66.67
  text "6" at 2415.93,4881.08 h60
  text "39.00mil (0.991mm)" at 3113.74,4881.08 h60
  text "NPTH" at 4459.35,4881.08 h60
  text "Round" at 4965.22,4881.08 h60
  text "-" at 5699.02,4881.08 h60
  text "-" at 6768.71,4881.08 h60
  text "+/-2.00mil" at 8126.31,4881.08 h60
  text "K" at 1880.96,4871.09 h66.67
  text "54" at 2415.93,4731.08 h60
  text "45.28mil (1.150mm)" at 3113.74,4731.08 h60
  text "PTH" at 4459.35,4731.08 h60
  text "Round" at 4965.22,4731.08 h60
  text "-" at 5699.02,4731.08 h60
  text "-" at 6768.71,4731.08 h60
  text "+/-3.00mil" at 8126.31,4731.08 h60
  text "M" at 1880.96,4721.09 h66.67
  text "40" at 2415.93,4581.08 h60
  text "47.24mil (1.200mm)" at 3113.74,4581.08 h60
  text "PTH" at 4459.35,4581.08 h60
  text "Round" at 4965.22,4581.08 h60
  text "-" at 5699.02,4581.08 h60
  text "-" at 6768.71,4581.08 h60
  text "4" at 2415.93,4431.08 h60
  text "125.00mil (3.175mm)" at 3113.74,4431.08 h60
  text "NPTH" at 4459.35,4431.08 h60
  text "Round" at 4965.22,4431.08 h60
  text "-" at 5699.02,4431.08 h60
  text "-" at 6768.71,4431.08 h60
  text "+/-2.00mil" at 8126.31,4431.08 h60
  text "N" at 1880.96,4421.09 h66.67
  text "821 Total" at 2415.93,4281.08 h60
  text "Slot definitions :" at 1910.05,4136.11 h60
  text "Routed Path Length" at 2942.74,4136.11 h60
  text "= Calculated from tool start centre position to tool end centre position." at 4045.41,4136.11 h60
  text "Hole Length" at 2942.74,4036.13 h60
  text "= Routed Path Length + Tool Size = Slot length as defined in the PCB layout" at 3635.54,4036.13 h60
  text "FAB" at -468,-1140 h60

## Dimensions
-13.36,4.64 to -97.09,44.4 on M10 Fab Notes
1271.96,-164 to 1342.77,-163.32 on M10 Fab Notes
2138,3958 to 2200.01,2382.86 on M2 Board Dimensions
382.14,3884.74 to 407.63,4003.92 on M2 Board Dimensions
-313.24,1934.59 to -129.03,1934.59 on M2 Board Dimensions
2120,-100 to 2200,1796 on M2 Board Dimensions
2120,-100 to 2120,3958 on M2 Board Dimensions
2120,-100 to 2200,2073.19 on M2 Board Dimensions
2216.02,3915.59 to 2364.57,3877.32 on M2 Board Dimensions
-993.53,-701.56 to 6.47,-701.56 on M2 Board Dimensions
0,3858 to -20,3958 on M2 Board Dimensions
0,0 to 2200,-20 on M2 Board Dimensions
0,0 to -100,-20 on M2 Board Dimensions
212.21,3938.31 to -100,3878 on M2 Board Dimensions
399.22,3911.52 to -100,3878 on M2 Board Dimensions

## Text inside footprints (layer, text, board x,y; h text height)
Logo3: Bottom Silkscreen "not FCC approved for resale." at 1240.04,3537.41 h60; Bottom Silkscreen "For evaluation only;" at 1139.52,3607.31 h60
ZZ1: AST "Install label in silkscreened box after final wash.  Text shall be 8 pt font.  Text shall be per the Label Table in the PDF schematic." at -918.19,4591.57 h40